# Allegro board FMDEMOD-before-back-annote.brd (continued)
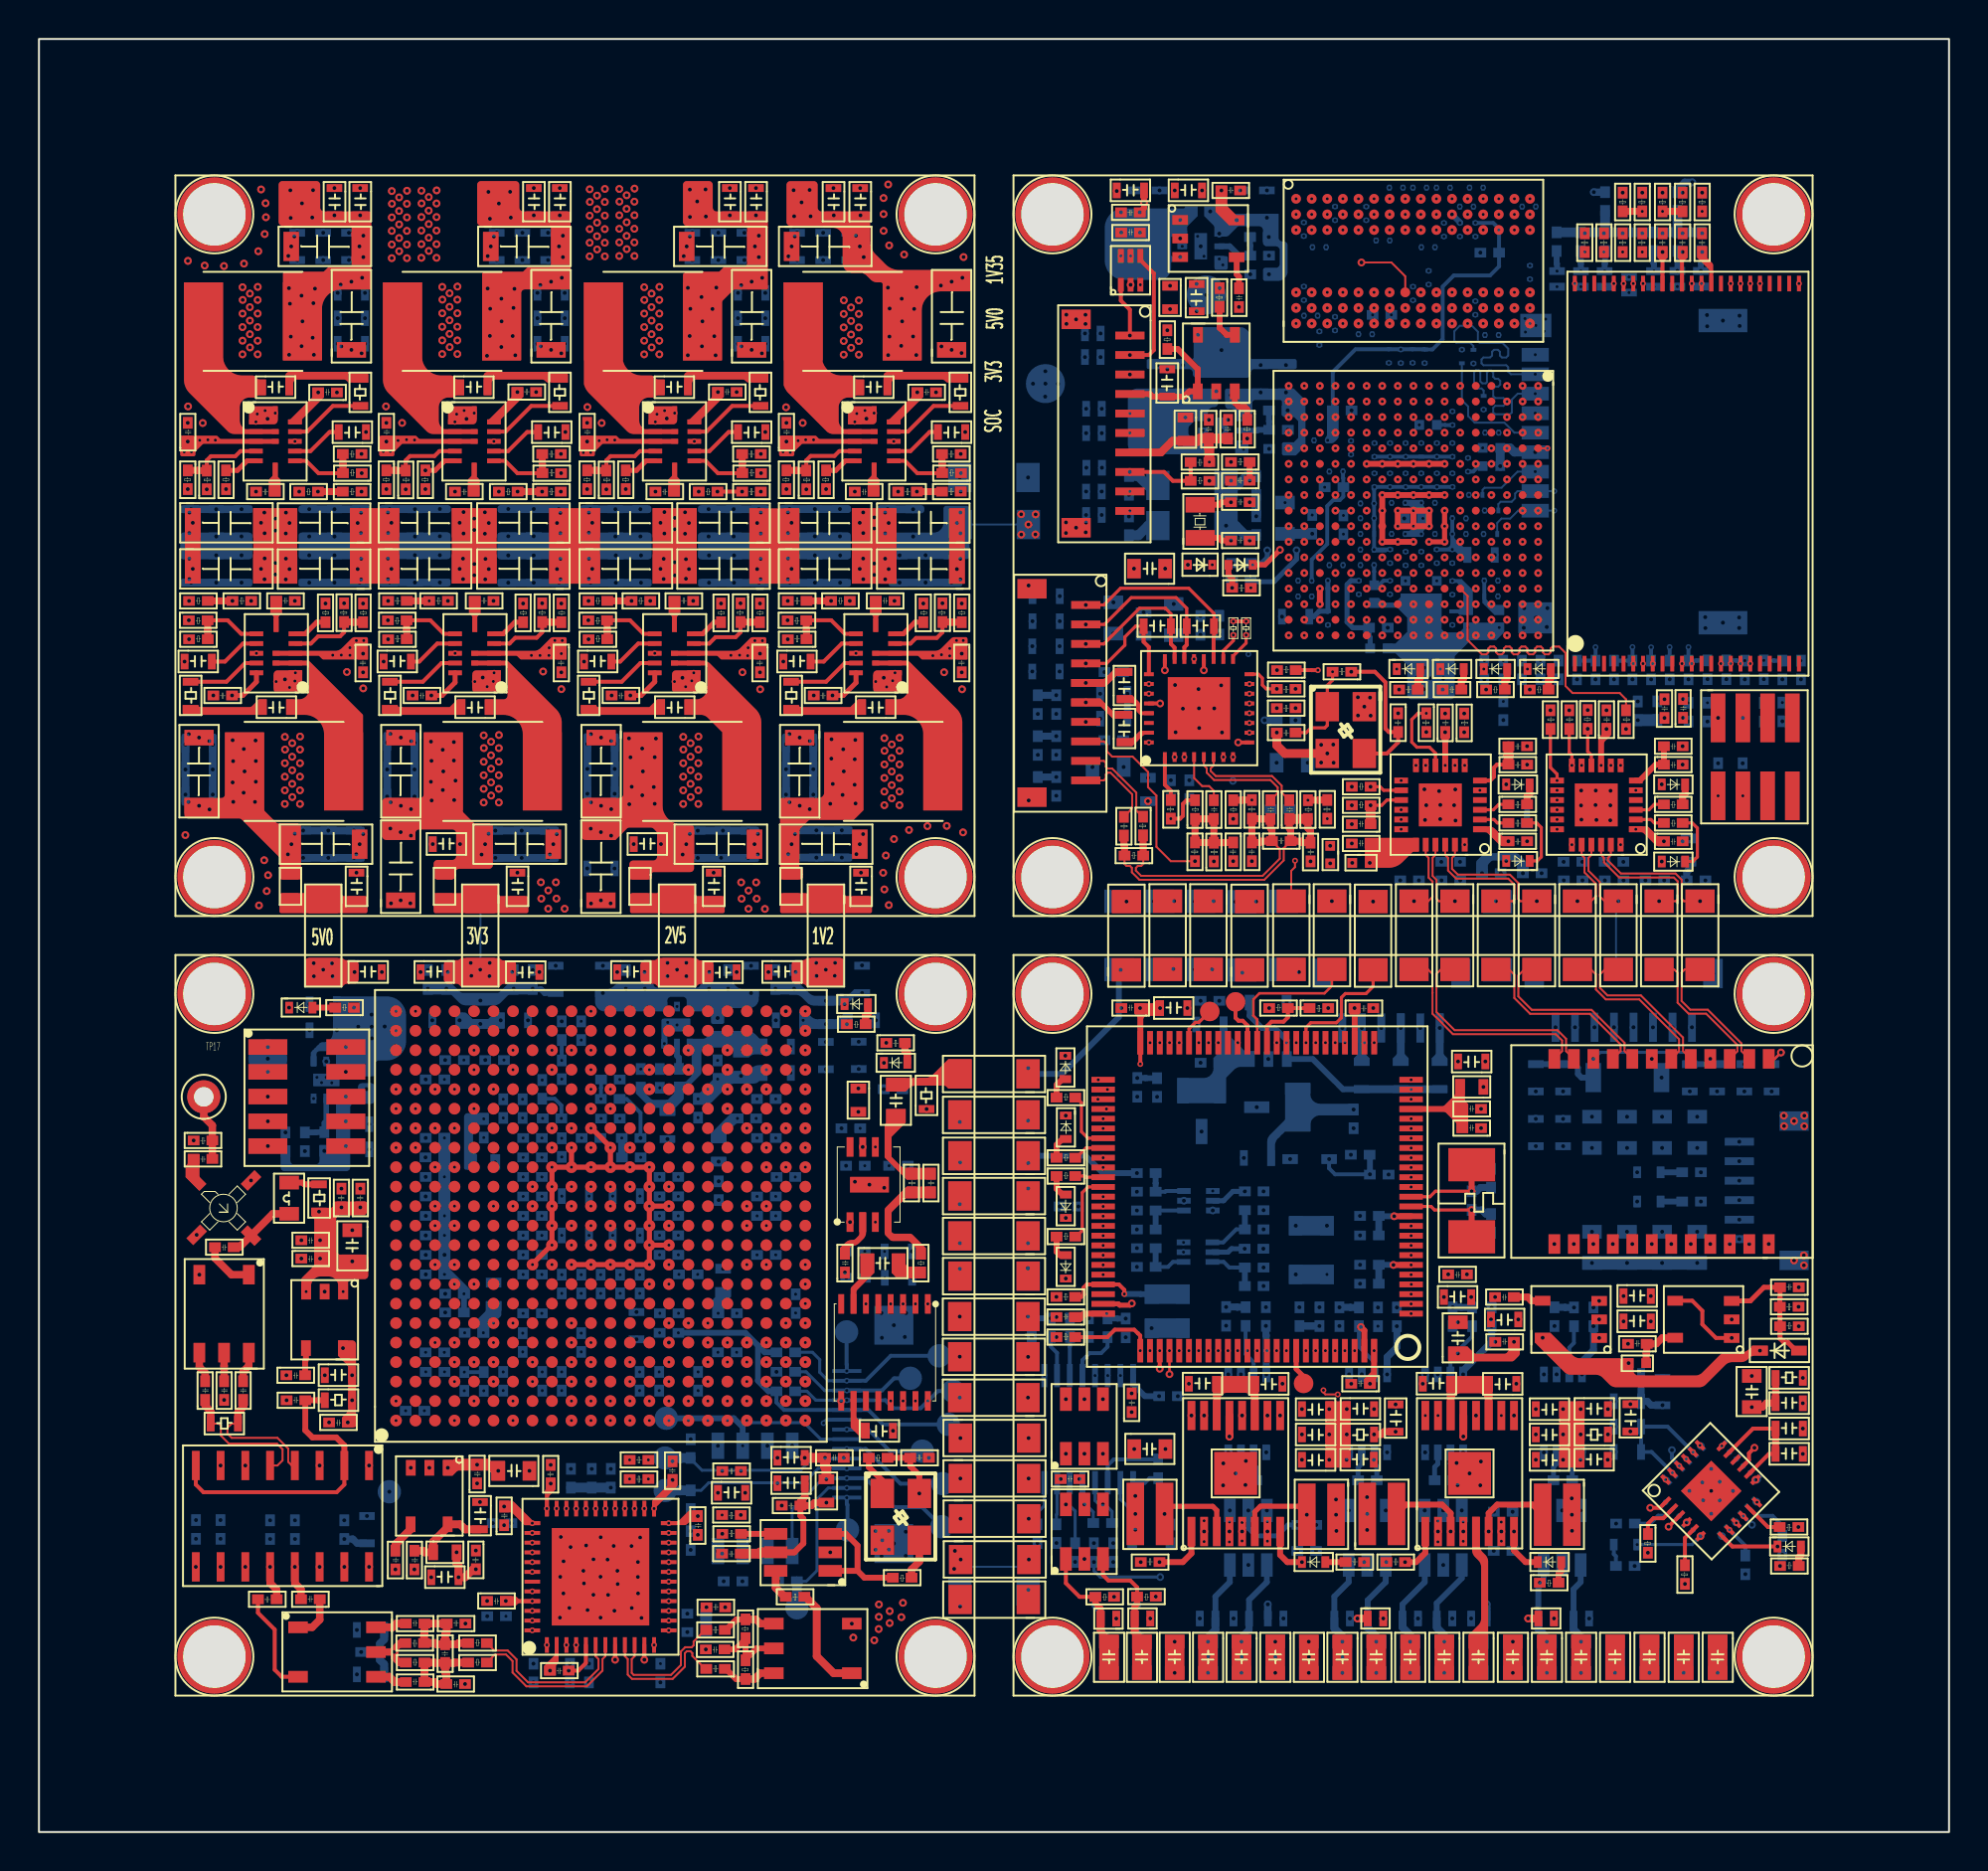
[diagram p0: board, top side]
## Placement (name value [footprint] x y rotation side) (continued)
NOREF#1659  -  []  64.19 34.53 0 top
NOREF#1660  -  []  16.2 63.99 90 top
NOREF#1661  -  []  8.25 70.96 0 top
NOREF#1662  -  []  63.05 56.66 90 top
NOREF#1663  -  []  67.96 9.66 90 top
NOREF#1664  -  []  46.02 76.2 90 top
NOREF#1665  -  []  66.24 77.44 0 top
NOREF#1666  -  []  15.23 75.96 90 top
NOREF#1667  -  []  73.58 27.05 90 top
NOREF#1668  -  []  37.36 78.08 0 top
NOREF#1669  -  []  84.94 82.69 0 top
NOREF#1670  -  []  55.22 26.29 90 top
NOREF#1671  -  []  84.97 79.2 0 top
NOREF#1672  -  []  6.48 69.35 0 top
NOREF#1673  -  []  83 18.9 90 top
NOREF#1674  -  []  69.8 24.05 0 top
NOREF#1675  -  []  24.38 31.44 0 top
NOREF#1676  -  []  57.3 52.69 90 top
NOREF#1677  -  []  27.07 26.54 0 top
NOREF#1678  -  []  24.09 73.49 90 top
NOREF#1679  -  []  44.45 67.97 0 top
NOREF#1680  -  []  16.46 10.77 90 top
NOREF#1681  -  []  57.75 27.83 90 top
NOREF#1682  -  []  47.75 68.39 90 top
NOREF#1683  -  []  35.27 68.39 90 top
NOREF#1684  -  []  90.1 24.75 90 top
NOREF#1685  -  []  62.95 11.86 0 top
NOREF#1686  -  []  66.93 62.32 90 top
NOREF#1687  -  []  55.22 24.23 90 top
NOREF#1688  -  []  42.23 41.25 90 top
NOREF#1689  -  []  68 76.69 0 top
NOREF#1690  -  []  38.24 52.8 90 top
NOREF#1691  -  []  54.88 26.97 0 top
NOREF#1692  -  []  81.96 48.44 90 top
NOREF#1693  -  []  26.28 67.97 0 top
NOREF#1694  -  []  74.5 82.25 90 top
NOREF#1695  -  []  72 26.46 0 top
NOREF#1696  -  []  66.9 51.11 0 top
NOREF#1697  -  []  20.34 44.41 90 top
NOREF#1698  -  []  30.29 23.15 0 top
NOREF#1699  -  []  17.79 31 0 top
NOREF#1700  -  []  64.66 83.77 0 top
NOREF#1701  -  []  29.61 61.78 90 top
NOREF#1702  -  []  25.48 78.08 0 top
NOREF#1703  -  []  51.67 15.33 0 top
NOREF#1704  -  []  60.7 67.84 90 top
NOREF#1705  -  []  73.58 61.75 90 top
NOREF#1706  -  []  69.52 69.96 0 top
NOREF#1707  -  []  25.37 70.11 0 top
NOREF#1708  -  []  16.31 80.56 90 top
NOREF#1709  -  []  64.5 77.4 90 top
NOREF#1710  -  []  71.46 65.5 0 top
NOREF#1711  -  []  68.59 18.7 90 top
NOREF#1712  -  []  13.81 69.03 90 top
NOREF#1713  -  []  39.4 64 90 top
NOREF#1714  -  []  70.8 30.22 90 top
NOREF#1715  -  []  82.67 23.88 0 top
NOREF#1716  -  []  36.6 63.5 0 top
NOREF#1717  -  []  13.79 56.52 90 top
NOREF#1718  -  []  12.57 62.53 0 top
NOREF#1719  -  []  86.4 62.05 90 top
NOREF#1720  -  []  17.45 62.78 90 top
NOREF#1721  -  []  74.93 52.34 0 top
NOREF#1722  -  []  26.53 80.57 90 top
NOREF#1723  -  []  52.58 56.91 90 top
NOREF#1724  -  []  69.92 24.85 0 top
NOREF#1725  -  []  82.8 14.83 0 top
NOREF#1726  -  []  43.62 68.39 0 top
NOREF#1727  -  []  73.22 84.6 90 top
NOREF#1728  -  []  11.41 32.31 0 top
NOREF#1729  -  []  17.04 36.73 0 top
NOREF#1730  -  []  17.78 62.59 90 top
NOREF#1731  -  []  82.01 11.22 0 top
NOREF#1732  -  []  75.66 24.85 90 top
NOREF#1733  -  []  42.97 20.3 0 top
NOREF#1734  -  []  70.7 17.66 90 top
NOREF#1735  -  []  83.94 15.44 90 top
NOREF#1736  -  []  23.29 23.15 0 top
NOREF#1737  -  []  67.3 83.09 90 top
NOREF#1738  -  []  72.52 65.5 90 top
NOREF#1739  -  []  14.56 22.56 0 top
NOREF#1740  -  []  35.62 70.32 0 top
NOREF#1741  -  []  17.29 70.24 0 top
NOREF#1742  -  []  33.39 51.48 90 top
NOREF#1743  -  []  29.98 36.22 0 top
NOREF#1744  -  []  62.07 68.14 90 top
NOREF#1745  -  []  16.56 53.08 0 top
NOREF#1746  -  []  29.85 17.72 0 top
NOREF#1747  -  []  29.93 32.23 90 top
NOREF#1748  -  []  23.67 69.58 0 top
NOREF#1749  -  []  54.77 10.25 0 top
NOREF#1750  -  []  90.47 12.48 0 top
NOREF#1751  -  []  23.83 17.03 90 top
NOREF#1752  -  []  40.7 64 0 top
NOREF#1753  -  []  19.64 12.38 90 top
NOREF#1754  -  []  22.43 20.58 90 top
NOREF#1755  -  []  56.98 75.37 90 top
NOREF#1756  -  []  38.12 64 0 top
NOREF#1757  -  []  67.07 10.66 90 top
NOREF#1758  -  []  75.95 84.2 0 top
NOREF#1759  -  []  14.18 82.16 0 top
NOREF#1760  -  []  75.91 38.63 90 top
NOREF#1761  -  []  51.91 32.49 90 top
NOREF#1762  -  []  63.05 56.66 0 top
NOREF#1763  -  []  17.75 47.95 90 top
NOREF#1764  -  []  61.05 72.55 90 top
NOREF#1765  -  []  34.86 30.22 90 top
NOREF#1766  -  []  30.48 67.2 0 top
NOREF#1767  -  []  58.17 84.64 0 top
NOREF#1768  -  []  62.07 70.02 0 top
NOREF#1769  -  []  87.1 38.71 0 top
NOREF#1770  -  []  83.1 39.5 90 top
NOREF#1771  -  []  72.36 68.2 0 top
NOREF#1772  -  []  62.27 76.97 0 top
NOREF#1773  -  []  26.24 49.88 90 top
NOREF#1774  -  []  11.24 66.39 90 top
NOREF#1775  -  []  15.6 24.83 90 top
NOREF#1776  -  []  80.89 24.85 90 top
NOREF#1777  -  []  22.97 9.17 90 top
NOREF#1778  -  []  34.47 34.2 90 top
NOREF#1779  -  []  56.02 38.18 0 top
NOREF#1780  -  []  45.94 37.81 0 top
NOREF#1781  -  []  19.32 61.78 90 top
NOREF#1782  -  []  72.54 55.97 90 top
NOREF#1783  -  []  68.72 68.41 0 top
NOREF#1784  -  []  71.37 83.68 90 top
NOREF#1785  -  []  20.94 10.68 90 top
NOREF#1786  -  []  14.88 29.03 90 top
NOREF#1787  -  []  68.62 65.57 0 top
NOREF#1788  -  []  69.33 58.23 0 top
NOREF#1789  -  []  71.82 82.25 0 top
NOREF#1790  -  []  13.29 10.5 0 top
NOREF#1791  -  []  17.79 13.94 90 top
NOREF#1792  -  []  68.73 33.58 90 top
NOREF#1793  -  []  90.8 49.9 0 top
NOREF#1794  -  []  21.9 62.78 90 top
NOREF#1795  -  []  67.9 20.8 90 top
NOREF#1796  -  []  75.5 77.01 90 top
NOREF#1797  -  []  59.36 7.97 90 top
NOREF#1798  -  []  24.45 63.5 0 top
NOREF#1799  -  []  78.91 56.14 90 top
NOREF#1800  -  []  68.77 62.02 90 top
NOREF#1801  -  []  84.1 31 90 top
NOREF#1802  -  []  57.65 7.97 90 top
NOREF#1803  -  []  9.88 21.07 90 top
NOREF#1804  -  []  87.51 9.97 90 top
NOREF#1805  -  []  55.15 77.6 0 top
NOREF#1806  -  []  82.64 58.48 0 top
NOREF#1807  -  []  90.1 37.9 90 top
NOREF#1808  -  []  13 29.03 0 top
NOREF#1809  -  []  68.5 77.4 0 top
NOREF#1810  -  []  88.11 56.52 90 top
NOREF#1811  -  []  76.24 80.06 0 top
NOREF#1812  -  []  42.56 28.05 0 top
NOREF#1813  -  []  39.69 59.66 90 top
NOREF#1814  -  []  41.65 40.65 90 top
NOREF#1815  -  []  82.2 20.8 90 top
NOREF#1816  -  []  40.04 38.35 90 top
NOREF#1817  -  []  14.43 20.63 0 top
NOREF#1818  -  []  83.79 56.7 90 top
NOREF#1819  -  []  77.78 48.44 0 top
NOREF#1820  -  []  60.19 77.8 0 top
NOREF#1821  -  []  83.85 32.68 0 top
NOREF#1822  -  []  22.23 17.84 0 top
NOREF#1823  -  []  57.44 15.33 90 top
NOREF#1824  -  []  79.75 7.97 90 top
NOREF#1825  -  []  85.8 18.7 0 top
NOREF#1826  -  []  28.72 70.31 0 top
NOREF#1827  -  []  37.38 61.61 90 top
NOREF#1828  -  []  61.08 11.22 0 top
NOREF#1829  -  []  66.5 76.69 90 top
NOREF#1830  -  []  60.62 71.04 0 top
NOREF#1831  -  []  32.12 17.6 90 top
NOREF#1832  -  []  36.61 74.67 0 top
NOREF#1833  -  []  42.83 33.02 90 top
NOREF#1834  -  []  76.05 35.93 90 top
NOREF#1835  -  []  24.41 11.47 90 top
NOREF#1836  -  []  36.55 13.62 0 top
NOREF#1837  -  []  40.86 33.22 90 top
NOREF#1838  -  []  81.87 80.61 90 top
NOREF#1839  -  []  63.28 28.76 90 top
NOREF#1840  -  []  28.03 49.03 0 top
NOREF#1841  -  []  70.48 81.43 90 top
NOREF#1842  -  []  79 22.11 0 top
NOREF#1843  -  []  79.5 80.66 90 top
NOREF#1844  -  []  64.52 17.66 90 top
NOREF#1845  -  []  84.79 52.34 90 top
NOREF#1846  -  []  61.36 9.97 90 top
NOREF#1847  -  []  53.87 13.43 0 top
NOREF#1848  -  []  54.21 59.12 90 top
NOREF#1849  -  []  26.41 59.04 90 top
NOREF#1850  -  []  19.41 9.97 90 top
NOREF#1851  -  []  64.94 66.16 0 top
NOREF#1852  -  []  28.52 44.55 90 top
NOREF#1853  -  []  78.5 7.97 90 top
NOREF#1854  -  []  39.35 29.4 90 top
NOREF#1855  -  []  13 66.36 0 top
NOREF#1856  -  []  71.46 9.66 90 top
NOREF#1857  -  []  63.68 61.96 90 top
NOREF#1858  -  []  38.12 67.98 0 top
NOREF#1859  -  []  28.33 31.02 0 top
NOREF#1860  -  []  57.11 15.46 90 top
NOREF#1861  -  []  17.78 33 0 top
NOREF#1862  -  []  66.61 41.89 90 top
NOREF#1863  -  []  35.86 28.22 90 top
NOREF#1864  -  []  63.52 88.79 0 top
NOREF#1865  -  []  43.16 33.8 90 top
NOREF#1866  -  []  56.02 37.4 90 top
NOREF#1867  -  []  73.07 67.01 90 top
NOREF#1868  -  []  35.77 71.42 90 top
NOREF#1869  -  []  78 37.9 90 top
NOREF#1870  -  []  81.2 26.61 0 top
NOREF#1871  -  []  58.43 77.94 90 top
NOREF#1872  -  []  51.75 38.07 0 top
NOREF#1873  -  []  57.4 53.05 0 top
NOREF#1874  -  []  72.98 64.43 0 top
NOREF#1875  -  []  74.93 54.38 0 top
NOREF#1876  -  []  84.97 79.2 90 top
NOREF#1877  -  []  36.6 59.04 90 top
NOREF#1878  -  []  50.86 54.81 0 top
NOREF#1879  -  []  29.63 49.03 90 top
NOREF#1880  -  []  80.24 11.22 0 top
NOREF#1881  -  []  77.77 50.17 0 top
NOREF#1882  -  []  47.72 18.03 90 top
NOREF#1883  -  []  34.03 10.73 90 top
NOREF#1884  -  []  31.84 33.85 0 top
NOREF#1885  -  []  21.38 26.01 0 top
NOREF#1886  -  []  37.39 46.29 0 top
NOREF#1887  -  []  62.6 55.67 90 top
NOREF#1888  -  []  55.53 68.15 0 top
NOREF#1889  -  []  20.41 33.98 90 top
NOREF#1890  -  []  28.54 65.62 0 top
NOREF#1891  -  []  39.26 24.22 90 top
NOREF#1892  -  []  34.47 34.2 0 top
NOREF#1893  -  []  56 24.3 90 top
NOREF#1894  -  []  17.69 43.72 90 top
NOREF#1895  -  []  17.43 68.44 90 top
NOREF#1896  -  []  64.26 71.56 0 top
NOREF#1897  -  []  60.59 12.26 0 top
NOREF#1898  -  []  33.4 73.73 90 top
NOREF#1899  -  []  53.62 67.88 0 top
NOREF#1900  -  []  18.34 9.31 0 top
NOREF#1901  -  []  70.74 65.91 0 top
NOREF#1902  -  []  27.23 68.39 90 top
NOREF#1903  -  []  75.5 72 90 top
NOREF#1904  -  []  37.96 68.44 90 top
NOREF#1905  -  []  58.63 69.9 0 top
NOREF#1906  -  []  30.48 65.6 90 top
NOREF#1907  -  []  19.56 46.29 0 top
NOREF#1908  -  []  74.48 7.97 90 top
NOREF#1909  -  []  41.47 18.03 0 top
NOREF#1910  -  []  85.22 58.69 0 top
NOREF#1911  -  []  83.96 58.59 0 top
NOREF#1912  -  []  30.7 46.29 0 top
NOREF#1913  -  []  80.74 80.66 90 top
NOREF#1914  -  []  82.91 54.38 0 top
NOREF#1915  -  []  82.06 15.44 0 top
NOREF#1916  -  []  21.84 7.53 90 top
NOREF#1917  -  []  74.93 50.45 0 top
NOREF#1918  -  []  73.58 84.14 90 top
NOREF#1919  -  []  65.1 77.99 0 top
NOREF#1920  -  []  65.98 13.26 90 top
NOREF#1921  -  []  21.73 15.42 90 top
NOREF#1922  -  []  57.89 24.28 90 top
NOREF#1923  -  []  42.54 82.85 90 top
NOREF#1924  -  []  46.41 64.01 90 top
NOREF#1925  -  []  61.84 49.35 0 top
NOREF#1926  -  []  29.07 26.54 0 top
NOREF#1927  -  []  84.76 11.22 0 top
NOREF#1928  -  []  27.19 61.61 90 top
NOREF#1929  -  []  60.39 61.47 90 top
NOREF#1930  -  []  76.75 7.97 90 top
NOREF#1931  -  []  38.38 8.35 90 top
NOREF#1932  -  []  28.33 33.04 0 top
NOREF#1933  -  []  70.07 74.76 0 top
NOREF#1934  -  []  87.02 55.3 0 top
NOREF#1935  -  []  58.95 64.6 0 top
NOREF#1936  -  []  72.29 63.81 0 top
NOREF#1937  -  []  63.57 76.97 0 top
NOREF#1938  -  []  83.22 80.66 90 top
NOREF#1939  -  []  60.75 64.55 0 top
NOREF#1940  -  []  35.37 7.2 0 top
NOREF#1941  -  []  63.06 60.01 0 top
NOREF#1942  -  []  43.75 66.36 0 top
NOREF#1943  -  []  74.32 72.38 0 top
NOREF#1944  -  []  17.2 11.14 90 top
NOREF#1945  -  []  74.74 58.47 0 top
NOREF#1946  -  []  21.57 57.31 0 top
NOREF#1947  -  []  65.26 51.13 90 top
NOREF#1948  -  []  73.7 82.25 90 top
NOREF#1949  -  []  74.74 60.56 0 top
NOREF#1950  -  []  25.43 61.62 0 top
NOREF#1951  -  []  20.47 23.1 0 top
NOREF#1952  -  []  79.96 80.66 0 top
NOREF#1953  -  []  5.88 36.65 0 top
NOREF#1954  -  []  58.92 50.95 90 top
NOREF#1955  -  []  19.55 8.84 90 top
NOREF#1956  -  []  17.78 34 0 top
NOREF#1957  -  []  21.9 63.56 0 top
NOREF#1958  -  []  16.06 64.77 0 top
NOREF#1959  -  []  58.14 53.4 0 top
NOREF#1960  -  []  32.44 41.22 0 top
NOREF#1961  -  []  61.69 80.5 0 top
NOREF#1962  -  []  63.3 54.23 90 top
NOREF#1963  -  []  55.87 30.72 0 top
NOREF#1964  -  []  37.5 70.32 90 top
NOREF#1965  -  []  33.36 49.88 0 top
NOREF#1966  -  []  84.08 48.44 0 top
NOREF#1967  -  []  58.7 38.04 0 top
NOREF#1968  -  []  14.75 64.01 0 top
NOREF#1969  -  []  20.51 46.29 0 top
NOREF#1970  -  []  51.8 56.91 0 top
NOREF#1971  -  []  75 7.97 90 top
NOREF#1972  -  []  8.21 66.37 90 top
NOREF#1973  -  []  11.34 74.54 0 top
NOREF#1974  -  []  76.7 20.3 0 top
NOREF#1975  -  []  41.4 68.39 0 top
NOREF#1976  -  []  87.02 53.42 90 top
NOREF#1977  -  []  55.15 77.6 90 top
NOREF#1978  -  []  21.98 39.22 0 top
NOREF#1979  -  []  64.53 7.97 90 top
NOREF#1980  -  []  45.5 68.39 90 top
NOREF#1981  -  []  54.77 10.25 90 top
NOREF#1982  -  []  33.05 18.73 90 top
NOREF#1983  -  []  58.67 82.76 90 top
NOREF#1984  -  []  44.72 27.61 0 top
NOREF#1985  -  []  10.31 20.55 90 top
NOREF#1986  -  []  88.89 58.69 90 top
NOREF#1987  -  []  73.22 85.06 0 top
NOREF#1988  -  []  35.63 70.11 0 top
NOREF#1989  -  []  15.23 78.08 0 top
NOREF#1990  -  []  20.4 50.12 0 top
NOREF#1991  -  []  75 7.97 90 top
NOREF#1992  -  []  13.53 71.1 90 top
NOREF#1993  -  []  87.13 58.68 90 top
NOREF#1994  -  []  75.38 10.66 90 top
NOREF#1995  -  []  69.89 63.81 0 top
NOREF#1996  -  []  79.01 24.85 0 top
NOREF#1997  -  []  41.97 80.57 90 top
NOREF#1998  -  []  45.23 31.72 0 top
NOREF#1999  -  []  74.93 52.34 0 top
NOREF#2000  -  []  82.91 80.61 0 top
NOREF#2001  -  []  57.75 29.75 90 top
NOREF#2002  -  []  41.51 66.38 90 top
NOREF#2003  -  []  70.2 20.8 90 top
NOREF#2004  -  []  67.33 49.99 0 top
NOREF#2005  -  []  43.74 64.01 90 top
NOREF#2006  -  []  58.14 51.52 90 top
NOREF#2007  -  []  35.6 61.62 0 top
NOREF#2008  -  []  25.72 42.81 90 top
NOREF#2009  -  []  22.78 34 0 top
NOREF#2010  -  []  83.9 32.25 0 top
NOREF#2011  -  []  39.48 49.9 90 top
NOREF#2012  -  []  66.28 31.74 0 top
NOREF#2013  -  []  66.8 18.9 90 top
NOREF#2014  -  []  55.51 79.39 0 top
NOREF#2015  -  []  42.12 18.81 0 top
NOREF#2016  -  []  64.32 73.33 0 top
NOREF#2017  -  []  72.75 17.66 0 top
NOREF#2018  -  []  71.21 58.23 90 top
NOREF#2019  -  []  56.1 56.43 0 top
NOREF#2020  -  []  41.96 64.02 90 top
NOREF#2021  -  []  71.5 48.44 90 top
NOREF#2022  -  []  13.46 32.77 0 top
NOREF#2023  -  []  71.56 58.23 0 top
NOREF#2024  -  []  63.08 9.97 90 top
NOREF#2025  -  []  39.29 57.93 0 top
NOREF#2026  -  []  14.27 64.8 0 top
NOREF#2027  -  []  61.69 79.53 0 top
NOREF#2028  -  []  90.6 71.7 0 top
NOREF#2029  -  []  73.97 33.57 0 top
NOREF#2030  -  []  72.71 39.13 0 top
NOREF#2031  -  []  76.4 38.71 0 top
NOREF#2032  -  []  33.05 16.11 0 top
NOREF#2033  -  []  67.06 71.07 0 top
NOREF#2034  -  []  16.08 82.85 0 top
NOREF#2035  -  []  57.65 7.97 90 top
NOREF#2036  -  []  36.12 46.15 0 top
NOREF#2037  -  []  24.38 28.45 0 top
NOREF#2038  -  []  30.44 50.12 0 top
NOREF#2039  -  []  64.04 24.87 90 top
NOREF#2040  -  []  87.15 58.4 0 top
NOREF#2041  -  []  21.29 44.41 90 top
NOREF#2042  -  []  51.75 30.94 0 top
NOREF#2043  -  []  23.23 66.36 0 top
NOREF#2044  -  []  51.75 34.98 0 top
NOREF#2045  -  []  69.06 38.01 90 top
NOREF#2046  -  []  28.95 17.21 0 top
NOREF#2047  -  []  85.02 76.62 90 top
NOREF#2048  -  []  18.49 22.97 0 top
NOREF#2049  -  []  53.59 14.36 0 top
NOREF#2050  -  []  8.23 24.6 0 top
NOREF#2051  -  []  71.49 67.84 0 top
NOREF#2052  -  []  72.57 35.73 90 top
NOREF#2053  -  []  18.23 65.62 0 top
NOREF#2054  -  []  83.67 84.6 0 top
NOREF#2055  -  []  30.8 57.93 90 top
NOREF#2056  -  []  38.17 49.9 0 top
NOREF#2057  -  []  26.26 30.44 90 top
NOREF#2058  -  []  46.02 76.2 90 top
NOREF#2059  -  []  55.98 9.66 90 top
NOREF#2060  -  []  69.34 55.98 90 top
NOREF#2061  -  []  24.38 33.44 0 top
NOREF#2062  -  []  37.98 35.22 0 top
NOREF#2063  -  []  23.09 81.37 0 top
NOREF#2064  -  []  23.73 25.19 90 top
NOREF#2065  -  []  26.32 73.07 90 top
NOREF#2066  -  []  76.25 7.97 90 top
NOREF#2067  -  []  59.45 73.92 0 top
NOREF#2068  -  []  31.48 44.41 90 top
NOREF#2069  -  []  59.63 71.04 0 top
NOREF#2070  -  []  8.02 70.88 90 top
NOREF#2071  -  []  27.74 63.56 0 top
NOREF#2072  -  []  43.35 18.03 90 top
NOREF#2073  -  []  77.52 74.79 90 top
NOREF#2074  -  []  61.96 77.79 90 top
NOREF#2075  -  []  33.97 64 0 top
NOREF#2076  -  []  80.05 25.35 90 top
NOREF#2077  -  []  67.46 38.82 0 top
NOREF#2078  -  []  30.25 28.38 0 top
NOREF#2079  -  []  64.32 72.55 90 top
NOREF#2080  -  []  21.63 13.95 90 top
NOREF#2081  -  []  71.07 78.22 90 top
NOREF#2082  -  []  38.5 78.96 0 top
NOREF#2083  -  []  38.12 39.74 0 top
NOREF#2084  -  []  56.58 59.87 0 top
NOREF#2085  -  []  37.38 23 0 top
NOREF#2086  -  []  61.05 73.33 0 top
NOREF#2087  -  []  72.83 67.14 90 top
NOREF#2088  -  []  60.61 7.97 90 top
NOREF#2089  -  []  33.53 32.89 0 top
NOREF#2090  -  []  31.95 26.54 90 top
NOREF#2091  -  []  28.99 24.17 90 top
NOREF#2092  -  []  68.62 66.37 0 top
NOREF#2093  -  []  76.81 51.39 90 top
NOREF#2094  -  []  83.85 31.18 0 top
NOREF#2095  -  []  26.26 33.44 90 top
NOREF#2096  -  []  39 57.52 90 top
NOREF#2097  -  []  75.95 20.2 0 top
NOREF#2098  -  []  10.68 68.39 0 top
NOREF#2099  -  []  62.26 26.48 90 top
NOREF#2100  -  []  26.27 64 0 top
NOREF#2101  -  []  15.28 71.42 90 top
NOREF#2102  -  []  25.23 61.61 90 top
NOREF#2103  -  []  57.72 9.66 90 top
NOREF#2104  -  []  83.77 11.22 0 top
NOREF#2105  -  []  17.79 32 0 top
NOREF#2106  -  []  17.75 47.95 90 top
NOREF#2107  -  []  39.84 52.8 90 top
NOREF#2108  -  []  60.7 68.62 0 top
NOREF#2109  -  []  63.3 66.41 90 top
NOREF#2110  -  []  72.98 63.63 0 top
NOREF#2111  -  []  79.11 26.46 90 top
NOREF#2112  -  []  23.83 16.79 90 top
NOREF#2113  -  []  62.5 32.6 90 top
NOREF#2114  -  []  74.75 29.65 0 top
NOREF#2115  -  []  8.25 70.18 90 top
NOREF#2116  -  []  17.78 32.22 90 top
NOREF#2117  -  []  9.11 61.78 90 top
NOREF#2118  -  []  23.23 63.99 0 top
NOREF#2119  -  []  38.68 36.95 0 top
NOREF#2120  -  []  42.59 35.72 90 top
NOREF#2121  -  []  36.5 10.45 0 top
NOREF#2122  -  []  31.74 66.39 90 top
NOREF#2123  -  []  61.03 64.6 90 top
NOREF#2124  -  []  66.14 70.58 90 top
NOREF#2125  -  []  68.9 83.09 90 top
NOREF#2126  -  []  32.78 25.01 0 top
NOREF#2127  -  []  21.73 16.2 0 top
NOREF#2128  -  []  36.42 41 0 top
NOREF#2129  -  []  84.5 21.8 90 top
NOREF#2130  -  []  27.83 5.62 0 top
NOREF#2131  -  []  73.72 28.22 90 top
NOREF#2132  -  []  39.86 35.22 90 top
NOREF#2133  -  []  43.15 67.97 0 top
NOREF#2134  -  []  38.98 33.22 0 top
NOREF#2135  -  []  82.8 27.1 90 top
NOREF#2136  -  []  34.03 10.73 0 top
NOREF#2137  -  []  66.9 50.33 90 top
NOREF#2138  -  []  24.38 30.44 0 top
NOREF#2139  -  []  30.46 64.77 0 top
NOREF#2140  -  []  76.81 52.34 90 top
NOREF#2141  -  []  31.17 68.39 0 top
NOREF#2142  -  []  65.12 82.71 90 top
NOREF#2143  -  []  61.4 14.7 90 top
NOREF#2144  -  []  75.7 58.68 90 top
NOREF#2145  -  []  60.21 83.84 90 top
NOREF#2146  -  []  35.24 67.97 0 top
NOREF#2147  -  []  87.7 31 90 top
NOREF#2148  -  []  21.84 9.53 90 top
NOREF#2149  -  []  88.5 22.85 0 top
NOREF#2150  -  []  58.63 69.72 0 top
NOREF#2151  -  []  55.08 41.89 90 top
NOREF#2152  -  []  31.74 64.02 90 top
NOREF#2153  -  []  27.83 18.17 0 top
NOREF#2154  -  []  82.55 15.1 90 top
NOREF#2155  -  []  78.92 80.61 0 top
NOREF#2156  -  []  13.87 73.47 90 top
NOREF#2157  -  []  62.13 61.81 0 top
NOREF#2158  -  []  85.73 31.18 90 top
NOREF#2159  -  []  32.98 32.22 0 top
NOREF#2160  -  []  90.6 22.9 90 top
NOREF#2161  -  []  29.18 67.2 0 top
NOREF#2162  -  []  40.78 49.9 0 top
NOREF#2163  -  []  83.28 58.68 90 top
NOREF#2164  -  []  71.12 68.41 0 top
NOREF#2165  -  []  15.28 71.42 0 top
NOREF#2166  -  []  37.96 63.56 0 top
NOREF#2167  -  []  76.77 67.8 90 top
NOREF#2168  -  []  71.59 65.11 0 top
NOREF#2169  -  []  55.99 20.28 0 top
NOREF#2170  -  []  30.41 51.1 0 top
NOREF#2171  -  []  71.28 66.37 90 top
NOREF#2172  -  []  21.57 57.31 90 top
NOREF#2173  -  []  74.63 17.66 90 top
NOREF#2174  -  []  12.26 32.88 0 top
NOREF#2175  -  []  37.96 61.59 0 top
NOREF#2176  -  []  86.85 25.35 90 top
NOREF#2177  -  []  74.18 13.26 0 top
NOREF#2178  -  []  53.06 24.3 90 top
NOREF#2179  -  []  41.6 18.3 90 top
NOREF#2180  -  []  38.76 67.98 0 top
NOREF#2181  -  []  19.96 9.53 0 top
NOREF#2182  -  []  81.2 27.91 0 top
NOREF#2183  -  []  39.39 17.5 90 top
NOREF#2184  -  []  28.21 26.05 0 top
NOREF#2185  -  []  76.9 18.9 90 top
NOREF#2186  -  []  89 22.41 0 top
NOREF#2187  -  []  66.48 63.97 90 top
NOREF#2188  -  []  53.93 21.22 90 top
NOREF#2189  -  []  70.12 63.89 90 top
NOREF#2190  -  []  67.1 68.61 0 top
NOREF#2191  -  []  90.01 60.56 0 top
NOREF#2192  -  []  80.2 27.95 0 top
NOREF#2193  -  []  67.8 17.9 90 top
NOREF#2194  -  []  74.68 62.25 0 top
NOREF#2195  -  []  29.57 44.53 0 top
NOREF#2196  -  []  26.44 52.86 90 top
NOREF#2197  -  []  76.81 50.45 90 top
NOREF#2198  -  []  84.23 49.58 0 top
NOREF#2199  -  []  64.89 32.48 90 top
NOREF#2200  -  []  76 27.51 0 top
NOREF#2201  -  []  43.38 49.32 90 top
NOREF#2202  -  []  24.18 43.71 0 top
NOREF#2203  -  []  25.04 7.53 90 top
NOREF#2204  -  []  82.91 82.69 90 top
NOREF#2205  -  []  27.73 68.44 0 top
NOREF#2206  -  []  81.37 58.68 90 top
NOREF#2207  -  []  72.72 69.96 0 top
R1  560  [R0603]  59.28 41.84 0 bottom
R2  1M  [C0402]  73.26 31.91 90 bottom
R3  1K,1%  [R0603]  67.46 38.01 90 bottom
R4  1K,1%  [R0603]  69.47 38.01 90 bottom
R5  1K,1%  [R0603]  71.47 38.01 90 bottom
R8  560  [R0603]  61.72 34.99 0 bottom
R9  10K  [R0402]  69.25 33.48 180 bottom
R10  10K  [R0402]  53.17 25.65 180 top
R11  10K  [R0402]  53.17 27.71 180 top
R12  10K  [R0402]  53.34 31.85 180 bottom
R13  10K  [R0402]  57.12 37.71 90 bottom
R14  10K  [R0402]  54.19 11.82 0 top
R15  10K  [R0402]  56.33 11.83 0 top
R16  10K  [R0402]  56.33 12.33 0 bottom
R17  10K  [R0402]  54.18 12.33 0 bottom
R18  0  [R0603]  68.6 20.8 180 top
R19  0  [R0603]  82.3 23 180 bottom
R20  0  [R0402]  89.7 15.2 270 bottom
R21  0.47  [R3216]  58.2 14.7 90 top
R22  0  [R0402]  87.8 14.2 270 bottom
R23  0.47  [R3216]  64.6 17.9 270 top
R24  2.05K,1%  [R0402]  68.65 17.8 180 bottom
R25  2.05K,1%  [R0402]  62.47 17.8 180 bottom
R26  10K  [R0402]  57.5 14.1 180 top
R27  1K  [R0402]  68 14.1 180 top
R28  0  [R0402]  81.89 15.58 180 bottom
R29  1K  [R0402]  80.9 13.9 0 bottom
R30  10  [R0402]  61.66 25.96 90 bottom
R31  10  [R0402]  67.47 25.94 90 bottom
R32  0  [R0603]  89 22.9 0 top
R33  0  [R0603]  80.6 20.8 180 top
R34  0  [R0402]  82.3 15.3 270 top
R35  0.47  [R3216]  70.1 14.7 90 top
R36  0  [R0402]  84.2 13.7 270 top
R37  0.47  [R3216]  76.7 17.9 270 top
R38  2.05K,1%  [R0402]  78.68 17.8 180 bottom
R39  2.05K,1%  [R0402]  72.58 17.8 180 bottom
R40  10K  [R0402]  70.1 14.1 180 top
R41  1K  [R0402]  77 12.54 0 top
R42  0  [R0402]  89.3 15.4 0 top
R43  1K  [R0402]  90.3 13.9 180 top
R44  10  [R0402]  73.28 25.94 90 bottom
R45  10  [R0402]  78.51 25.94 90 bottom
R46  68K  [R0402]  90.3 26.2 180 top
R47  12K  [R0402]  89.31 26.7 0 top
R50  1.5K  [R0402]  61.21 63.59 0 top
R51  10K  [R0201]  70.54 84.52 0 bottom
R52  10K  [R0201]  72.35 84.22 180 bottom
R53  1K  [R0402]  74.24 58.37 0 top
R54  1K  [R0402]  76.48 58.37 0 top
R55  1K  [R0402]  69.78 58.37 0 top
R56  1K  [R0402]  72.01 58.37 0 top
R57  1K  [R0402]  89.7 57.96 270 bottom
R58  10K  [R0201]  76.65 80.33 270 bottom
R59  240  [R0201]  67.17 70.73 90 bottom
R60  DNP  [R0402]  85.86 60.12 270 bottom
R61  1K  [R0402]  85.9 53.87 90 bottom
R62  1K  [R0402]  88.75 60.12 270 bottom
R63  1K  [R0402]  87.16 53.87 90 bottom
R64  DNP  [R0402]  86.83 60.12 270 bottom
R66  1K  [R0402]  56.17 69.58 270 bottom
R67  33  [R0603]  85.7 37.9 90 bottom
R68  33  [R0603]  84.3 37.9 90 bottom
R69  33  [R0603]  77.8 37.9 90 bottom
R70  470  [R0201]  71.58 81.17 180 bottom
R71  1K  [R0402]  77.8 56.59 90 top
R72  1K  [R0402]  78.77 56.59 90 top
R73  49.9  [R0402]  81.31 48.58 180 bottom
R74  49.9  [R0402]  79.2 48.58 180 bottom
R75  49.9  [R0402]  85.51 48.58 180 bottom
R76  49.9  [R0402]  83.39 48.58 180 bottom
R77  33  [R0603]  76.4 37.9 90 bottom
R78  1K  [R0402]  76.36 51.53 180 bottom
R79  1K  [R0402]  76.36 54.52 180 bottom
R80  1K  [R0402]  83.36 52.48 0 top
R81  1K  [R0402]  83.36 51.53 0 top
R82  DNP  [R0402]  81.51 59.13 90 bottom
R83  DNP  [R0402]  78.66 59.13 90 bottom
R84  47K  [R0402]  83.05 84.12 270 top
R85  DNP  [R0402]  82.01 84.12 270 top
R86  47K  [R0402]  81.01 84.12 270 top
R87  240  [R0201]  73.05 82.51 270 bottom
R88  240  [R0201]  72.95 83.55 0 bottom
R89  DNP  [R0402]  79.21 57.58 270 top
R90  12.1K  [R0402]  80.32 50.03 0 bottom
R91  DNP  [R0402]  84.08 84.12 270 top
R92  47K  [R0402]  85.08 84.12 270 top
R93  47K  [R0402]  81.01 82.04 270 top
R94  33  [R0402]  81.68 56.59 90 top
R95  47K  [R0402]  82.01 82.04 270 top
R96  47K  [R0402]  84.38 59.13 90 bottom
R97  47K  [R0402]  89.2 59.13 90 bottom
R98  47K  [R0402]  90.15 59.13 90 bottom
R99  49.9  [R0402]  72.93 48.58 180 bottom
R100  49.9  [R0402]  70.81 48.58 180 bottom
R101  49.9  [R0402]  77.11 48.95 180 bottom
R102  49.9  [R0402]  75.01 48.95 180 bottom
R103  47K  [R0402]  82.47 59.13 90 bottom
R104  47K  [R0402]  83.42 59.13 90 bottom
R105  1.5K  [R0201]  70.63 76.03 270 bottom
R106  47K  [R0402]  80.04 82.04 270 top
R107  1K  [R0402]  68.33 52.93 180 top
R108  1K  [R0402]  68.33 53.88 180 top
R109  47K  [R0402]  87.27 59.13 90 bottom
R110  47K  [R0402]  88.25 56.97 90 bottom
R111  47K  [R0402]  79.61 59.13 90 bottom
R112  47K  [R0402]  80.56 59.13 90 bottom
R113  47K  [R0402]  79.06 82.04 270 top
R114  1.5K  [R0201]  69.72 75.42 90 bottom
R115  1K  [R0402]  75.38 52.48 0 top
R116  47K  [R0402]  85.36 56.97 90 bottom
R117  1K  [R0402]  75.38 51.53 0 top
R118  47K  [R0402]  75.84 59.13 90 bottom
R119  47K  [R0402]  77.72 59.13 90 bottom
R120  47K  [R0402]  73.91 59.13 90 bottom
R121  47K  [R0402]  84.38 56.97 90 bottom
R122  47K  [R0402]  74.88 59.13 90 bottom
R123  47K  [R0402]  76.79 59.13 90 bottom
R124  47K  [R0402]  74.88 57.04 90 bottom